# Altium PCB TMS320F28379D_Interfaz_.PcbDoc (part 3 of 5) (continued)
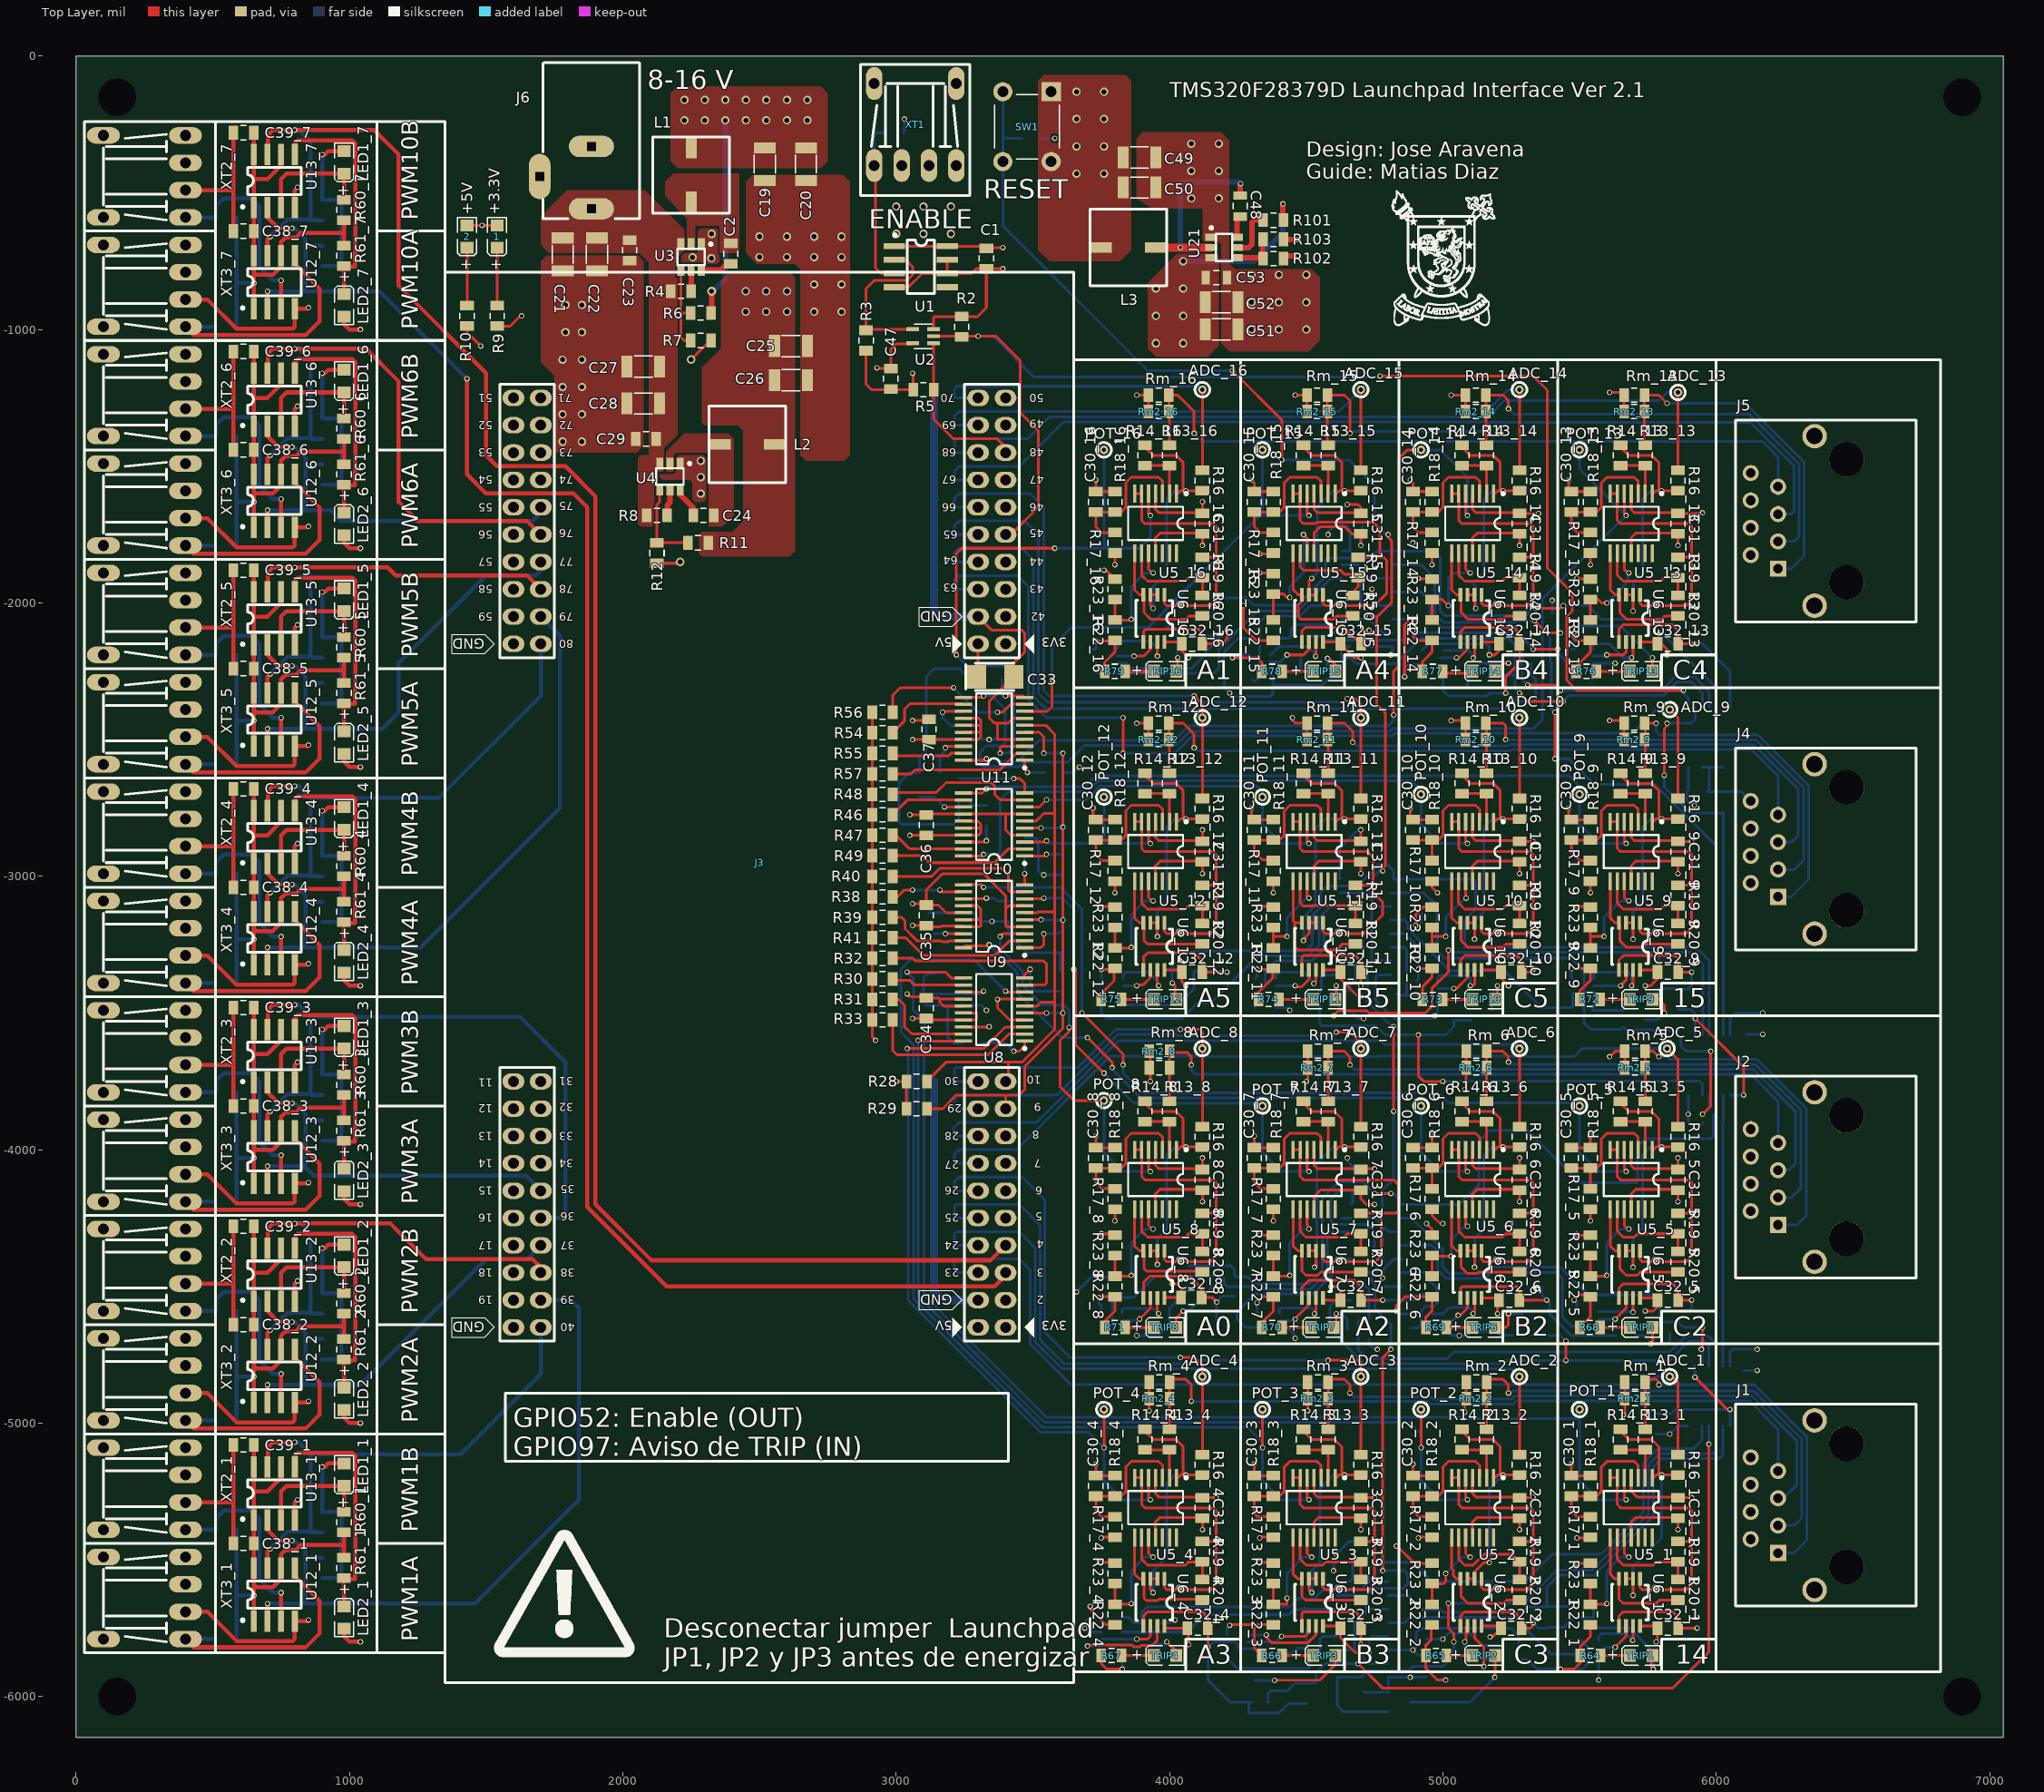
[diagram p0: Top Layer view]
## Nets (pads, with @x,y where several pads share a name; then routed paths per layer and width w, separated by ;. In a path a pad name is that pad's centre, name@x,y a point inside that pad or via, vN(x,y) a via of type N, cw(c..) or ccw(c..) an arc to the next point about the centre after c; other vN are vias at no path point) (continued)
  Bottom Layer w30: C10.2@3137.6,-3750 C11.2@3137.6,-3850 C12.2@3137.6,-3950 C13.2@3137.6,-4050 C14.2@3137.6,-4150 C15.2@3137.6,-4250 C16.2@3137.6,-4350 C17.2@3137.6,-4450 3137.6,-4517.6 3170,-4550 J3.22@3300,-4550 ; C18.1@3137.6,-1250 C3.2@3137.6,-1350 C4.2@3137.6,-1450 C5.2@3137.6,-1550 C6.2@3137.6,-1650 C7.2@3137.6,-1750 C8.2@3137.6,-1850 C9.2@3137.6,-1950 3137.6,-2027.6 3160,-2050 J3.62@3300,-2050
  other v2: 4300,-1000 4400,-1000 4500,-1000 4300,-900 4400,-900 4500,-900 4300,-800 4400,-800 4500,-800 3000,-650 3100,-650 3200,-650 3000,-550 3100,-550 3200,-550 4080,-520 4180,-520 4080,-420 4180,-420 4080,-320 4180,-320
DGND: 1.1 2.1 B1.2 C19.1 C20.1 C21.2 C22.2 C23.2 C25.1 C26.1 C27.2 C28.2 C29.2 C38_1.2 C38_2.2 C38_3.2 C38_4.2 C38_5.2 C38_6.2 C38_7.2 C39_1.2 C39_2.2 C39_3.2 C39_4.2 C39_5.2 C39_6.2 C39_7.2 J3.20 J3.60 J6.2 J6.3 LED1_1.1 LED1_2.1 LED1_3.1 LED1_4.1 LED1_5.1 LED1_6.1 LED1_7.1 LED2_1.1 LED2_2.1 LED2_3.1 LED2_4.1 LED2_5.1 LED2_6.1 LED2_7.1 R7.1 R12.1 R62_1.1 R62_2.1 R62_3.1 R62_4.1 R62_5.1 R62_6.1 R62_7.1 R63_1.1 R63_2.1 R63_3.1 R63_4.1 R63_5.1 R63_6.1 R63_7.1 U3.1 U4.1 U12_1.4 U12_2.4 U12_3.4 U12_4.4 U12_5.4 U12_6.4 U12_7.4 U13_1.4 U13_2.4 U13_3.4 U13_4.4 U13_5.4 U13_6.4 U13_7.4 XT2_1.2 XT2_2.2 XT2_3.2 XT2_4.2 XT2_5.2 XT2_6.2 XT2_7.2 XT3_1.2 XT3_2.2 XT3_3.2 XT3_4.2 XT3_5.2 XT3_6.2 XT3_7.2 | length 13552.7
  Top Layer w10: 2.1@1430,-618.66 v1(1485,-618.66) 1.1@1540,-618.66 ; R12.1@2125,-1854.8 2205.2,-1854.8 v4(2210,-1850) ; v4(2250,-1110) 2320,-1040 R7.1@2322.4,-1040
  Top Layer w15: XT3_1.2@400,-5690 480,-5690 587,-5797 793,-5797 800,-5790 U12_1.4@800,-5724 846,-5724 v1(850,-5720) ; XT2_1.2@400,-5290 575.2,-5290 ; XT3_2.2@400,-4890 480,-4890 587,-4997 793,-4997 800,-4990 U12_2.4@800,-4924 846,-4924 v1(850,-4920) ; XT2_2.2@400,-4490 575.2,-4490 ; XT3_3.2@400,-4090 480,-4090 587,-4197 793,-4197 800,-4190 U12_3.4@800,-4124 846,-4124 v1(850,-4120) ; XT2_3.2@400,-3690 575.2,-3690 ; XT3_4.2@400,-3290 480,-3290 587,-3397 793,-3397 800,-3390 U12_4.4@800,-3324 846,-3324 v1(850,-3320) ; XT2_4.2@400,-2890 575.2,-2890 ; XT3_5.2@400,-2490 480,-2490 587,-2597 793,-2597 800,-2590 U12_5.4@800,-2524 846,-2524 v1(850,-2520) ; XT2_5.2@400,-2090 575.2,-2090 ; XT3_6.2@400,-1690 480,-1690 587,-1797 793,-1797 800,-1790 U12_6.4@800,-1724 846,-1724 v1(850,-1720) ; XT2_6.2@400,-1290 575.2,-1290 ; XT3_7.2@400,-890 480,-890 587,-997 793,-997 800,-990 U12_7.4@800,-924 846,-924 v1(850,-920) ; XT2_7.2@400,-490 575.2,-490 ; C38_1.2@575.2,-5440 575.2,-5290 ; C39_1.2@575.2,-5080 575.2,-5290 ; C38_2.2@575.2,-4640 575.2,-4490 ; C39_2.2@575.2,-4280 575.2,-4490 ; C38_3.2@575.2,-3840 575.2,-3690 ; C39_3.2@575.2,-3480 575.2,-3690 ; C38_4.2@575.2,-3040 575.2,-2890 ; C39_4.2@575.2,-2680 575.2,-2890 ; C38_5.2@575.2,-2240 575.2,-2090 ; C39_5.2@575.2,-1880 575.2,-2090 ; C38_6.2@575.2,-1440 575.2,-1290 ; C39_6.2@575.2,-1080 575.2,-1290 ; C38_7.2@575.2,-640 575.2,-490 ; C39_7.2@575.2,-280 575.2,-490 ; U13_1.4@800,-5354 800,-5290 v1(810,-5280) ; U13_2.4@800,-4554 800,-4490 v1(810,-4480) ; U13_3.4@800,-3754 800,-3690 v1(810,-3680) ; U13_4.4@800,-2954 800,-2890 v1(810,-2880) ; U13_5.4@800,-2154 800,-2090 v1(810,-2080) ; U13_6.4@800,-1354 800,-1290 v1(810,-1280) ; U13_7.4@800,-554 800,-490 v1(810,-480) ; v1(900,-5160) 910,-5160 922.68,-5147.32 LED1_1.1@980,-5147.32 ; v1(900,-4360) 910,-4360 922.68,-4347.32 LED1_2.1@980,-4347.32 ; v1(900,-3560) 910,-3560 922.68,-3547.32 LED1_3.1@980,-3547.32 ; v1(900,-2760) 910,-2760 922.68,-2747.32 LED1_4.1@980,-2747.32 ; v1(900,-1960) 910,-1960 922.68,-1947.32 LED1_5.1@980,-1947.32 ; v1(900,-1160) 910,-1160 922.68,-1147.32 LED1_6.1@980,-1147.32 ; v1(900,-360) 910,-360 922.68,-347.32 LED1_7.1@980,-347.32 ; LED2_1.1@980,-5752.68 980,-5780 1000,-5800 v1(1040,-5800) ; LED2_2.1@980,-4952.68 980,-4980 1000,-5000 v1(1040,-5000) ; LED2_3.1@980,-4152.68 980,-4180 1000,-4200 v1(1040,-4200) ; LED2_4.1@980,-3352.68 980,-3380 1000,-3400 v1(1040,-3400) ; LED2_5.1@980,-2552.68 980,-2580 1000,-2600 v1(1040,-2600) ; LED2_6.1@980,-1752.68 980,-1780 1000,-1800 v1(1040,-1800) ; LED2_7.1@980,-952.68 980,-980 1000,-1000 v1(1040,-1000)
  Bottom Layer w15: R63_1.1@900,-5567.4 952.6,-5567.4 970,-5550 970,-5330 965.2,-5325.2 R62_1.1@900,-5325.2 v1(900,-5160) ; R63_2.1@900,-4767.4 952.6,-4767.4 970,-4750 970,-4530 965.2,-4525.2 R62_2.1@900,-4525.2 v1(900,-4360) ; R63_3.1@900,-3967.4 952.6,-3967.4 970,-3950 970,-3730 965.2,-3725.2 R62_3.1@900,-3725.2 v1(900,-3560) ; R63_4.1@900,-3167.4 952.6,-3167.4 970,-3150 970,-2930 965.2,-2925.2 R62_4.1@900,-2925.2 v1(900,-2760) ; R63_5.1@900,-2367.4 952.6,-2367.4 970,-2350 970,-2130 965.2,-2125.2 R62_5.1@900,-2125.2 v1(900,-1960) ; R63_6.1@900,-1567.4 952.6,-1567.4 970,-1550 970,-1330 965.2,-1325.2 R62_6.1@900,-1325.2 v1(900,-1160) ; R63_7.1@900,-767.4 952.6,-767.4 970,-750 970,-530 965.2,-525.2 R62_7.1@900,-525.2 v1(900,-360)
  other v2: 2285,-1600 2285,-1540 2285,-1480 1780,-1410 1850,-1410 1780,-1310 1850,-1310 1780,-1210 1850,-1210 1780,-1110 1850,-1110 1790,-1010 1850,-1010 2700,-935 2800,-935 1790,-910 1850,-910 2700,-835 2800,-835 2324,-739 2255,-736 2500,-735 2600,-735 2700,-735 2800,-735 2500,-660 2600,-660 2700,-660 2800,-660 2325,-650
Enable_DSP: J3.48 R5.2 U2.1 | length 602.7
  Top Layer w10: U2.1@3137,-1050 3137,-1327 3210,-1400 3370,-1400 3400,-1430 J3.48@3400,-1450
Net1_2: 1.2 R9.1 | length 211.3
  Top Layer w10: R9.1@1540,-912.6 1.2@1540,-701.34
Net2_2: 2.2 R10.1 | length 211.3
  Top Layer w10: R10.1@1430,-912.6 2.2@1430,-701.34
NetC2_1: C2.1 L1.1 U3.2
NetC2_2: C2.2 U3.6 | length 94.8
  Top Layer w20: U3.6@2287.4,-782.24 2357.56,-782.24 C2.2@2375,-764.8
NetC24_1: C24.1 L2.1 U4.2
NetC24_2: C24.2 U4.6 | length 115.3
  Top Layer w20: U4.6@2209.8,-1584.49 2209.8,-1604.8 2257.6,-1652.6 C24.2@2257.6,-1680
NetC30_1_2: C30_1.2 R17_1.1 R18_1.2 U5_1.3 | length 543.4
  Top Layer w10: R17_1.1@5540,-5352.6 R17_1.1@5540,-5342.6 5492.6,-5342.6 5470,-5320 C30_1.2@5470,-5267.4 R18_1.2@5540,-5267.4 5562.6,-5267.4 5580,-5250 5580,-5160 5600,-5140 5700,-5140 5714.41,-5154.41 U5_1.3@5714.41,-5200
NetC30_2_2: C30_2.2 R17_2.1 R18_2.2 U5_2.3 | length 543.4
  Top Layer w10: R17_2.1@4960,-5352.6 R17_2.1@4960,-5342.6 4912.6,-5342.6 4890,-5320 C30_2.2@4890,-5267.4 R18_2.2@4960,-5267.4 4982.6,-5267.4 5000,-5250 5000,-5160 5020,-5140 5120,-5140 5134.41,-5154.41 U5_2.3@5134.41,-5200
NetC30_3_2: C30_3.2 R17_3.1 R18_3.2 U5_3.3 | length 549.3
  Top Layer w10: R17_3.1@4380,-5352.6 R17_3.1@4380,-5342.6 4322.6,-5342.6 4310,-5330 C30_3.2@4310,-5267.4 R18_3.2@4380,-5267.4 4402.6,-5267.4 4420,-5250 4420,-5160 4440,-5140 4540,-5140 4554.41,-5154.41 U5_3.3@4554.41,-5200
NetC30_4_2: C30_4.2 R17_4.1 R18_4.2 U5_4.3 | length 543.4
  Top Layer w10: R17_4.1@3800,-5352.6 R17_4.1@3800,-5342.6 3752.6,-5342.6 3730,-5320 C30_4.2@3730,-5267.4 R18_4.2@3800,-5267.4 3822.6,-5267.4 3840,-5250 3840,-5160 3860,-5140 3960,-5140 3974.41,-5154.41 U5_4.3@3974.41,-5200
NetC30_5_2: C30_5.2 R17_5.1 R18_5.2 U5_5.3 | length 486.7
  Top Layer w10: C30_5.2@5470,-4067.4 R18_5.2@5540,-4067.4 ; R17_5.1@5540,-4152.6 R17_5.1@5540,-4142.6 R18_5.2@5540,-4067.4 ; U5_5.3@5714.41,-4000 5714.41,-3954.41 5700,-3940 5600,-3940 5580,-3960 5580,-4050 5562.6,-4067.4 R18_5.2@5540,-4067.4
NetC30_6_2: C30_6.2 R17_6.1 R18_6.2 U5_6.3 | length 486.7
  Top Layer w10: C30_6.2@4890,-4067.4 R18_6.2@4960,-4067.4 ; R17_6.1@4960,-4152.6 R17_6.1@4960,-4142.6 R18_6.2@4960,-4067.4 ; U5_6.3@5134.41,-4000 5134.41,-3954.41 5120,-3940 5020,-3940 5000,-3960 5000,-4050 4982.6,-4067.4 R18_6.2@4960,-4067.4
NetC30_7_2: C30_7.2 R17_7.1 R18_7.2 U5_7.3 | length 543.4
  Top Layer w10: R17_7.1@4380,-4152.6 R17_7.1@4380,-4142.6 4332.6,-4142.6 4310,-4120 C30_7.2@4310,-4067.4 R18_7.2@4380,-4067.4 4402.6,-4067.4 4420,-4050 4420,-3960 4440,-3940 4540,-3940 4554.41,-3954.41 U5_7.3@4554.41,-4000
NetC30_8_2: C30_8.2 R17_8.1 R18_8.2 U5_8.3 | length 543.4
  Top Layer w10: R17_8.1@3800,-4152.6 R17_8.1@3800,-4142.6 3752.6,-4142.6 3730,-4120 C30_8.2@3730,-4067.4 R18_8.2@3800,-4067.4 3822.6,-4067.4 3840,-4050 3840,-3960 3860,-3940 3960,-3940 3974.41,-3954.41 U5_8.3@3974.41,-4000
NetC30_9_2: C30_9.2 R17_9.1 R18_9.2 U5_9.3 | length 537.6
  Top Layer w10: R17_9.1@5540,-2952.6 R17_9.1@5540,-2942.6 5502.6,-2942.6 5470,-2910 C30_9.2@5470,-2867.4 R18_9.2@5540,-2867.4 5562.6,-2867.4 5580,-2850 5580,-2760 5600,-2740 5700,-2740 5714.41,-2754.41 U5_9.3@5714.41,-2800
NetC30_10_2: C30_10.2 R17_10.1 R18_10.2 U5_10.3 | length 486.7
  Top Layer w10: C30_10.2@4890,-2867.4 R18_10.2@4960,-2867.4 ; R17_10.1@4960,-2952.6 R17_10.1@4960,-2942.6 R18_10.2@4960,-2867.4 ; U5_10.3@5134.41,-2800 5134.41,-2754.41 5120,-2740 5020,-2740 5000,-2760 5000,-2850 4982.6,-2867.4 R18_10.2@4960,-2867.4
NetC30_11_2: C30_11.2 R17_11.1 R18_11.2 U5_11.3 | length 531.7
  Top Layer w10: R17_11.1@4380,-2952.6 4367.4,-2940 4340,-2940 4310,-2910 C30_11.2@4310,-2867.4 R18_11.2@4380,-2867.4 4402.6,-2867.4 4420,-2850 4420,-2760 4440,-2740 4540,-2740 4554.41,-2754.41 U5_11.3@4554.41,-2800
NetC30_12_2: C30_12.2 R17_12.1 R18_12.2 U5_12.3 | length 543.4
  Top Layer w10: R17_12.1@3800,-2952.6 R17_12.1@3800,-2942.6 3752.6,-2942.6 3730,-2920 C30_12.2@3730,-2867.4 R18_12.2@3800,-2867.4 3822.6,-2867.4 3840,-2850 3840,-2760 3860,-2740 3960,-2740 3974.41,-2754.41 U5_12.3@3974.41,-2800
NetC30_13_2: C30_13.2 R17_13.1 R18_13.2 U5_13.3 | length 543.4
  Top Layer w10: R17_13.1@5540,-1752.6 R17_13.1@5540,-1742.6 5492.6,-1742.6 5470,-1720 C30_13.2@5470,-1667.4 R18_13.2@5540,-1667.4 5562.6,-1667.4 5580,-1650 5580,-1560 5600,-1540 5700,-1540 5714.41,-1554.41 U5_13.3@5714.41,-1600
NetC30_14_2: C30_14.2 R17_14.1 R18_14.2 U5_14.3 | length 543.4
  Top Layer w10: R17_14.1@4960,-1752.6 R17_14.1@4960,-1742.6 4912.6,-1742.6 4890,-1720 C30_14.2@4890,-1667.4 R18_14.2@4960,-1667.4 4982.6,-1667.4 5000,-1650 5000,-1560 5020,-1540 5120,-1540 5134.41,-1554.41 U5_14.3@5134.41,-1600
NetC30_15_2: C30_15.2 R17_15.1 R18_15.2 U5_15.3 | length 543.4
  Top Layer w10: R17_15.1@4380,-1752.6 R17_15.1@4380,-1742.6 4332.6,-1742.6 4310,-1720 C30_15.2@4310,-1667.4 R18_15.2@4380,-1667.4 4402.6,-1667.4 4420,-1650 4420,-1560 4440,-1540 4540,-1540 4554.41,-1554.41 U5_15.3@4554.41,-1600
NetC30_16_2: C30_16.2 R17_16.1 R18_16.2 U5_16.3 | length 543.4
  Top Layer w10: R17_16.1@3800,-1752.6 R17_16.1@3800,-1742.6 3752.6,-1742.6 3730,-1720 C30_16.2@3730,-1667.4 R18_16.2@3800,-1667.4 3822.6,-1667.4 3840,-1650 3840,-1560 3860,-1540 3960,-1540 3974.41,-1554.41 U5_16.3@3974.41,-1600
NetC48_1: C48.1 L3.1 U21.2 | length 698.6
  Top Layer w20: C48.1@4258,-510 v1@4258,-468
  Top Layer w30: L3.1@3950,-700 v1(4040,-700) U21.2@4150,-700
  Bottom Layer w20: v1(4040,-700) 4040,-470 4050,-460 4254,-460 v1(4260,-466)
NetC48_2: C48.2 U21.6 | length 80.1
  Top Layer w20: U21.6@4247.24,-662.6 4247.24,-597.76 C48.2@4258,-587
NetLED1_1_2: LED1_1.2 R60_1.1 U13_1.3 | length 437.5
  Top Layer w15: U13_1.3@750,-5354 750,-5250 770,-5230 LED1_1.2@980,-5230 R60_1.1@980,-5325.2
NetLED1_2_2: LED1_2.2 R60_2.1 U13_2.3 | length 437.5
  Top Layer w15: U13_2.3@750,-4554 750,-4450 770,-4430 LED1_2.2@980,-4430 R60_2.1@980,-4525.2
NetLED1_3_2: LED1_3.2 R60_3.1 U13_3.3 | length 437.5
  Top Layer w15: U13_3.3@750,-3754 750,-3650 770,-3630 LED1_3.2@980,-3630 R60_3.1@980,-3725.2
NetLED1_4_2: LED1_4.2 R60_4.1 U13_4.3 | length 437.5
  Top Layer w15: U13_4.3@750,-2954 750,-2850 770,-2830 LED1_4.2@980,-2830 R60_4.1@980,-2925.2
NetLED1_5_2: LED1_5.2 R60_5.1 U13_5.3 | length 437.5
  Top Layer w15: U13_5.3@750,-2154 750,-2050 770,-2030 LED1_5.2@980,-2030 R60_5.1@980,-2125.2
NetLED1_6_2: LED1_6.2 R60_6.1 U13_6.3 | length 437.5
  Top Layer w15: U13_6.3@750,-1354 750,-1250 770,-1230 LED1_6.2@980,-1230 R60_6.1@980,-1325.2
NetLED1_7_2: LED1_7.2 R60_7.1 U13_7.3 | length 437.5
  Top Layer w15: U13_7.3@750,-554 750,-450 770,-430 LED1_7.2@980,-430 R60_7.1@980,-525.2
NetLED2_1_2: LED2_1.2 R61_1.1 U13_1.5 | length 863.5
  Top Layer w15: U13_1.5@800,-5160 800,-5120 811.83,-5108.17 1010.87,-5108.17 1022.5,-5119.8 1022.5,-5519.95 1020,-5522.45 1020,-5570 980,-5570 LED2_1.2@980,-5670
NetLED2_2_2: LED2_2.2 R61_2.1 U13_2.5 | length 863.5
  Top Layer w15: U13_2.5@800,-4360 800,-4320 811.83,-4308.17 1010.87,-4308.17 1022.5,-4319.8 1022.5,-4719.95 1020,-4722.45 1020,-4770 980,-4770 LED2_2.2@980,-4870
NetLED2_3_2: LED2_3.2 R61_3.1 U13_3.5 | length 863.5
  Top Layer w15: U13_3.5@800,-3560 800,-3520 811.83,-3508.17 1010.87,-3508.17 1022.5,-3519.8 1022.5,-3919.95 1020,-3922.45 1020,-3970 980,-3970 LED2_3.2@980,-4070
NetLED2_4_2: LED2_4.2 R61_4.1 U13_4.5 | length 863.5
  Top Layer w15: U13_4.5@800,-2760 800,-2720 811.83,-2708.17 1010.87,-2708.17 1022.5,-2719.8 1022.5,-3119.95 1020,-3122.45 1020,-3170 980,-3170 LED2_4.2@980,-3270
NetLED2_5_2: LED2_5.2 R61_5.1 U13_5.5 | length 863.5
  Top Layer w15: U13_5.5@800,-1960 800,-1920 811.83,-1908.17 1010.87,-1908.17 1022.5,-1919.8 1022.5,-2319.95 1020,-2322.45 1020,-2370 980,-2370 LED2_5.2@980,-2470
NetLED2_6_2: LED2_6.2 R61_6.1 U13_6.5 | length 863.5
  Top Layer w15: U13_6.5@800,-1160 800,-1120 811.83,-1108.17 1010.87,-1108.17 1022.5,-1119.8 1022.5,-1519.95 1020,-1522.45 1020,-1570 980,-1570 LED2_6.2@980,-1670
NetLED2_7_2: LED2_7.2 R61_7.1 U13_7.5 | length 863.5
  Top Layer w15: U13_7.5@800,-360 800,-320 811.83,-308.17 1010.87,-308.17 1022.5,-319.8 1022.5,-719.95 1020,-722.45 1020,-770 980,-770 LED2_7.2@980,-870
NetQ1_D: Q1.D TRIP1.1 | length 406.7
  Top Layer w10: TRIP1.1@5761.34,-5850 5761.34,-5891.34 v1(5770,-5900)
  Bottom Layer w10: Q1.D@5516.15,-5748.74 5681.27,-5748.74 5770,-5837.47 v1(5770,-5900)
NetQ2_D: Q2.D TRIP4.1 | length 123.2
  Top Layer w10: v1(3990,-5800) 4025,-5835 TRIP4.1@4025,-5850
  Bottom Layer w10: Q2.D@3935,-5809 3981,-5809 v1(3990,-5800)
NetQ3_D: Q3.D TRIP5.1 | length 166.8
  Top Layer w10: v1(5760,-4710) 5766.34,-4703.66 TRIP5.1@5766.34,-4650
  Bottom Layer w10: v1(5760,-4710) 5820,-4710 5830,-4700 Q3.D@5830,-4670
NetQ4_D: Q4.D TRIP8.1 | length 217.6
  Top Layer w10: TRIP8.1@4025,-4650 4025,-4615 v1(4050,-4590)
  Bottom Layer w10: v1(4050,-4590) 4070,-4590 Q4.D@4160,-4500
NetQ5_D: Q5.D TRIP9.1 | length 163.3
  Top Layer w10: TRIP9.1@5766.34,-3450 5790,-3450 5810,-3470 v1(5810,-3500)
  Bottom Layer w10: Q5.D@5739,-3525 5785,-3525 v1(5810,-3500)
NetQ6_D: Q6.D TRIP12.1 | length 150.4
  Top Layer w10: v1(4010,-3390) 4020,-3400 4020,-3435 4030,-3445 TRIP12.1@4025,-3450
  Bottom Layer w10: v1(4010,-3390) Q6.D@4010,-3310
NetQ7_D: Q7.D TRIP13.1 | length 375.2
  Top Layer w10: TRIP13.1@5766.34,-2250 v1(5766.34,-2200.88)
  Bottom Layer w10: Q7.D@5488.74,-2083.85 5649.31,-2083.85 v1(5766.34,-2200.88)
NetQ8_D: Q8.D TRIP16.1 | length 196.5
  Top Layer w10: TRIP16.1@4025,-2250 4030,-2245 v1(4030,-2200)
  Bottom Layer w10: Q8.D@3991.26,-2086.15 4016.15,-2086.15 4030,-2100 v1(4030,-2200)
NetQ9_D: Q9.D TRIP2.1 | length 427.8
  Top Layer w10: v1(5190,-5930) 5191.34,-5928.66 TRIP2.1@5191.34,-5850
  Bottom Layer w10: Q9.D@4880,-6020 5100,-6020 v1(5190,-5930)
NetQ10_D: Q10.D TRIP3.1 | length 350
  Top Layer w10: v1(4383.85,-5941.26) 4550,-5940 4607.68,-5882.32 TRIP3.1@4607.68,-5850
  Bottom Layer w10: Q10.D@4313.85,-5941.26 Q10.D@4323.85,-5941.26 v1(4383.85,-5941.26)
NetQ11_D: Q11.D TRIP6.1 | length 142.8
  Top Layer w10: TRIP6.1@5191.34,-4650 5230,-4650 5240,-4640 v1(5240,-4600)
  Bottom Layer w10: v1(5240,-4600) Q11.D@5290,-4600
NetQ12_D: Q12.D TRIP7.1 | length 139.8
  Top Layer w10: TRIP7.1@4600,-4650 4610,-4640 v1(4610,-4600)
  Bottom Layer w10: v1(4610,-4600) 4630,-4600 4650,-4620 4650,-4656.15 Q12.D@4651.26,-4656.15
NetQ13_D: Q13.D TRIP10.1 | length 152.2
  Top Layer w10: TRIP10.1@5191.34,-3450 5191,-3449.66 5200,-3440.66 v1(5200,-3400)
  Bottom Layer w10: Q13.D@5180,-3490 5180,-3430 5200,-3410 v1(5200,-3400)
NetQ14_D: Q14.D TRIP11.1 | length 124.3
  Top Layer w10: TRIP11.1@4607.68,-3450 4600,-3442.32 4610,-3432.32 v1(4610,-3400)
  Bottom Layer w10: Q14.D@4581,-3455 4604,-3432 4604,-3406 v1(4610,-3400)
NetQ15_D: Q15.D TRIP14.1 | length 267.4
  Top Layer w10: TRIP14.1@5191.34,-2250 5221.34,-2220 v1(5240,-2220)
  Bottom Layer w10: Q15.D@5091.26,-2306.15 Q15.D@5091.26,-2300 5091.26,-2268.74 5140,-2220 v1(5240,-2220)
NetQ16_D: Q16.D TRIP15.1 | length 247.6
  Top Layer w10: v1(4577.36,-2202.64) 4582.64,-2202.64 4607.68,-2227.68 TRIP15.1@4607.68,-2250
  Bottom Layer w10: Q16.D@4480,-2200 4480,-2240 4490,-2250 4570,-2250 4577.36,-2242.64 v1(4577.36,-2202.64)
NetR1_1: R1.1 U1.3 XT1.1 | length 543
  Top Layer w10: XT1.1@2925,-425 2925,-775 2945,-795 U1.3@2993,-795
  Bottom Layer w10: XT1.1@2920,-370 2920,-290 2930,-280 R1.1@2952.6,-280
NetR3_2: R3.2 U1.2 U2.4 | length 620.7
  Top Layer w10: R3.2@2890,-1002.6 R3.2@2890,-998.82 ; U1.2@2993,-745 3035,-745 3060,-770 3060,-800 3040,-820 2920,-820 2890,-850 R3.2@2890,-998.82 ; U2.4@3060,-998.82 R3.2@2890,-998.82
NetR4_1: R4.1 U3.5 | length 77.8
  Top Layer w20: R4.1@2250,-860 U3.5@2250,-782.24
NetR6_1: R6.1 R7.2 U3.4 | length 321.5
  Top Layer w10: U3.4@2212.6,-782.24 2212.6,-937.6 ; R7.2@2247.6,-1040 2225,-1040 2212.6,-1027.6 2212.6,-937.6 ; R6.1@2247.6,-940 2215,-940 2212.6,-937.6
NetR8_1: R8.1 U4.5 | length 99.7
  Top Layer w20: R8.1@2162.4,-1680 2162.4,-1642.6 2172.4,-1632.6 U4.5@2172.4,-1584.49
NetR11_1: R11.1 R12.2 U4.4 | length 299.7
  Top Layer w10: U4.4@2135,-1584.49 2135,-1630 2125,-1640 R12.2@2125,-1780 R11.1@2225,-1780
NetR13_1_2: R13_1.2 R14_1.1 U5_1.2 | length 192.6
  Top Layer w10: R14_1.1@5650,-5097.4 R13_1.2@5740,-5097.4 U5_1.2@5740,-5200
NetR13_2_2: R13_2.2 R14_2.1 U5_2.2 | length 192.6
  Top Layer w10: R14_2.1@5070,-5097.4 R13_2.2@5160,-5097.4 U5_2.2@5160,-5200
NetR13_3_2: R13_3.2 R14_3.1 U5_3.2 | length 192.6
  Top Layer w10: R14_3.1@4490,-5097.4 R13_3.2@4580,-5097.4 U5_3.2@4580,-5200
NetR13_4_2: R13_4.2 R14_4.1 U5_4.2 | length 192.6
  Top Layer w10: R14_4.1@3910,-5097.4 R13_4.2@4000,-5097.4 U5_4.2@4000,-5200
NetR13_5_2: R13_5.2 R14_5.1 U5_5.2 | length 192.6
  Top Layer w10: R14_5.1@5650,-3897.4 R13_5.2@5740,-3897.4 U5_5.2@5740,-4000
NetR13_6_2: R13_6.2 R14_6.1 U5_6.2 | length 192.6
  Top Layer w10: R14_6.1@5070,-3897.4 R13_6.2@5160,-3897.4 U5_6.2@5160,-4000
NetR13_7_2: R13_7.2 R14_7.1 U5_7.2 | length 192.6
  Top Layer w10: R14_7.1@4490,-3897.4 R13_7.2@4580,-3897.4 U5_7.2@4580,-4000
NetR13_8_2: R13_8.2 R14_8.1 U5_8.2 | length 192.6
  Top Layer w10: R14_8.1@3910,-3897.4 R13_8.2@4000,-3897.4 U5_8.2@4000,-4000
NetR13_9_2: R13_9.2 R14_9.1 U5_9.2 | length 192.6
  Top Layer w10: R14_9.1@5650,-2697.4 R13_9.2@5740,-2697.4 U5_9.2@5740,-2800
NetR13_10_2: R13_10.2 R14_10.1 U5_10.2 | length 192.6
  Top Layer w10: R14_10.1@5070,-2697.4 R13_10.2@5160,-2697.4 U5_10.2@5160,-2800
NetR13_11_2: R13_11.2 R14_11.1 U5_11.2 | length 192.6
  Top Layer w10: R14_11.1@4490,-2697.4 R13_11.2@4580,-2697.4 U5_11.2@4580,-2800
NetR13_12_2: R13_12.2 R14_12.1 U5_12.2 | length 192.6
  Top Layer w10: R14_12.1@3910,-2697.4 R13_12.2@4000,-2697.4 U5_12.2@4000,-2800
NetR13_13_2: R13_13.2 R14_13.1 U5_13.2 | length 192.6
  Top Layer w10: R14_13.1@5650,-1497.4 R13_13.2@5740,-1497.4 U5_13.2@5740,-1600
NetR13_14_2: R13_14.2 R14_14.1 U5_14.2 | length 192.6
  Top Layer w10: R14_14.1@5070,-1497.4 R13_14.2@5160,-1497.4 U5_14.2@5160,-1600
NetR13_15_2: R13_15.2 R14_15.1 U5_15.2 | length 192.6
  Top Layer w10: R14_15.1@4490,-1497.4 R13_15.2@4580,-1497.4 U5_15.2@4580,-1600
NetR13_16_2: R13_16.2 R14_16.1 U5_16.2 | length 192.6
  Top Layer w10: R14_16.1@3910,-1497.4 R13_16.2@4000,-1497.4 U5_16.2@4000,-1600
NetR14_1_2: R14_1.2 R16_1.1 U5_1.1 U6_1.2 U6_1.3 | length 943.7
  Top Layer w10: R14_1.2@5646.3,-5026.3 5680,-5060 5763.48,-5060 5790,-5086.52 v1@5790,-5190 ; U6_1.3@5670,-5570 U6_1.2@5695.59,-5570 v1(5695.59,-5630) ; U5_1.1@5765.59,-5200 5770,-5200 5780,-5190 v1@5790,-5190 ; R16_1.1@5860,-5180 5850,-5190 v1(5800,-5190) v1@5790,-5190
  Bottom Layer w10: v1(5695.59,-5630) 5695.59,-5524.41 5800,-5420 v1(5800,-5190)
NetR14_2_2: R14_2.2 R16_2.1 U5_2.1 U6_2.2 U6_2.3 | length 835.4
  Top Layer w10: R14_2.2@5066.3,-5026.3 5100,-5060 5183.48,-5060 5210,-5086.52 v1@5210,-5190 ; U6_2.3@5090,-5570 U6_2.2@5115.59,-5570 5115.59,-5544.41 5150,-5510 v1(5170,-5510) ; U5_2.1@5185.59,-5200 5190,-5200 5200,-5190 v1@5210,-5190 ; R16_2.1@5280,-5180 5270,-5190 v1(5220,-5190) v1@5210,-5190
  Bottom Layer w10: v1(5170,-5510) 5170,-5240 v1(5220,-5190)
NetR14_3_2: R14_3.2 R16_3.1 U5_3.1 U6_3.2 U6_3.3 | length 957.7
  Top Layer w10: R14_3.2@4486.3,-5026.3 4520,-5060 4603.48,-5060 4630,-5086.52 v1@4630,-5190 ; v1(4520,-5620) 4510,-5610 U6_3.3@4510,-5570 U6_3.2@4535.59,-5570 ; U5_3.1@4605.59,-5200 4610,-5200 4620,-5190 v1@4630,-5190 ; R16_3.1@4700,-5180 4690,-5190 v1(4640,-5190) v1@4630,-5190
  Bottom Layer w10: v1(4520,-5620) 4520,-5540 4550,-5510 4550,-5240 4600,-5190 v1(4640,-5190)
NetR14_4_2: R14_4.2 R16_4.1 U5_4.1 U6_4.2 U6_4.3 | length 957.7
  Top Layer w10: R14_4.2@3906.3,-5026.3 3940,-5060 4023.48,-5060 4050,-5086.52 v1@4050,-5190 ; v1(3940,-5620) 3930,-5610 U6_4.3@3930,-5570 U6_4.2@3955.59,-5570 ; U5_4.1@4025.59,-5200 4030,-5200 4040,-5190 v1@4050,-5190 ; R16_4.1@4120,-5180 4110,-5190 v1(4060,-5190) v1@4050,-5190
  Bottom Layer w10: v1(3940,-5620) 3940,-5540 3990,-5490 3990,-5220 4020,-5190 v1(4060,-5190)
NetR14_5_2: R14_5.2 R16_5.1 U5_5.1 U6_5.2 U6_5.3 | length 967.1
  Top Layer w10: R14_5.2@5646.3,-3826.3 5680,-3860 5763.48,-3860 5790,-3886.52 v1@5790,-3990 ; U6_5.3@5670,-4370 U6_5.2@5695.59,-4370 v1(5695.59,-4430) ; U5_5.1@5765.59,-4000 5770,-4000 5780,-3990 v1@5790,-3990 ; R16_5.1@5860,-3980 5850,-3990 v1(5800,-3990) v1@5790,-3990
  Bottom Layer w10: v1(5695.59,-4430) 5695.59,-4324.41 5730,-4290 5730,-4020 5760,-3990 v1(5800,-3990)
NetR14_6_2: R14_6.2 R16_6.1 U5_6.1 U6_6.2 U6_6.3 | length 967.1
  Top Layer w10: R14_6.2@5066.3,-3826.3 5100,-3860 5183.48,-3860 5210,-3886.52 v1@5210,-3990 ; U6_6.3@5090,-4370 U6_6.2@5115.59,-4370 v1(5115.59,-4430) ; U5_6.1@5185.59,-4000 5190,-4000 5200,-3990 v1@5210,-3990 ; R16_6.1@5280,-3980 5270,-3990 v1(5220,-3990) v1@5210,-3990
  Bottom Layer w10: v1(5115.59,-4430) 5115.59,-4324.41 5150,-4290 5150,-4020 5180,-3990 v1(5220,-3990)
NetR14_7_2: R14_7.2 R16_7.1 U5_7.1 U6_7.2 U6_7.3 | length 975
  Top Layer w10: R14_7.2@4486.3,-3826.3 4520,-3860 4603.48,-3860 4630,-3886.52 v1@4630,-3990 ; U6_7.3@4510,-4370 U6_7.2@4535.59,-4370 4535.59,-4424.41 v1(4530,-4430) ; U5_7.1@4605.59,-4000 4610,-4000 4620,-3990 v1@4630,-3990 ; R16_7.1@4700,-3980 4690,-3990 v1(4640,-3990) v1@4630,-3990
  Bottom Layer w10: v1(4530,-4430) 4535.59,-4430 4539,-4426.59 4539,-4051 4600,-3990 v1(4640,-3990)
NetR14_8_2: R14_8.2 R16_8.1 U5_8.1 U6_8.2 U6_8.3 | length 947.1
  Top Layer w10: R14_8.2@3906.3,-3826.3 3940,-3860 4023.48,-3860 4050,-3886.52 v1@4050,-3990 ; U6_8.3@3930,-4370 U6_8.2@3955.59,-4370 v1(3955.59,-4420) ; U5_8.1@4025.59,-4000 4030,-4000 4040,-3990 v1@4050,-3990 ; R16_8.1@4120,-3980 4110,-3990 v1(4060,-3990) v1@4050,-3990
  Bottom Layer w10: v1(3955.59,-4420) 3955.59,-4324.41 3990,-4290 3990,-4020 4020,-3990 v1(4060,-3990)